# Allegro board A733_PRO3_AXP318_LPDDR5_FBGA315BALL_32X1_V2_0.brd (continued)
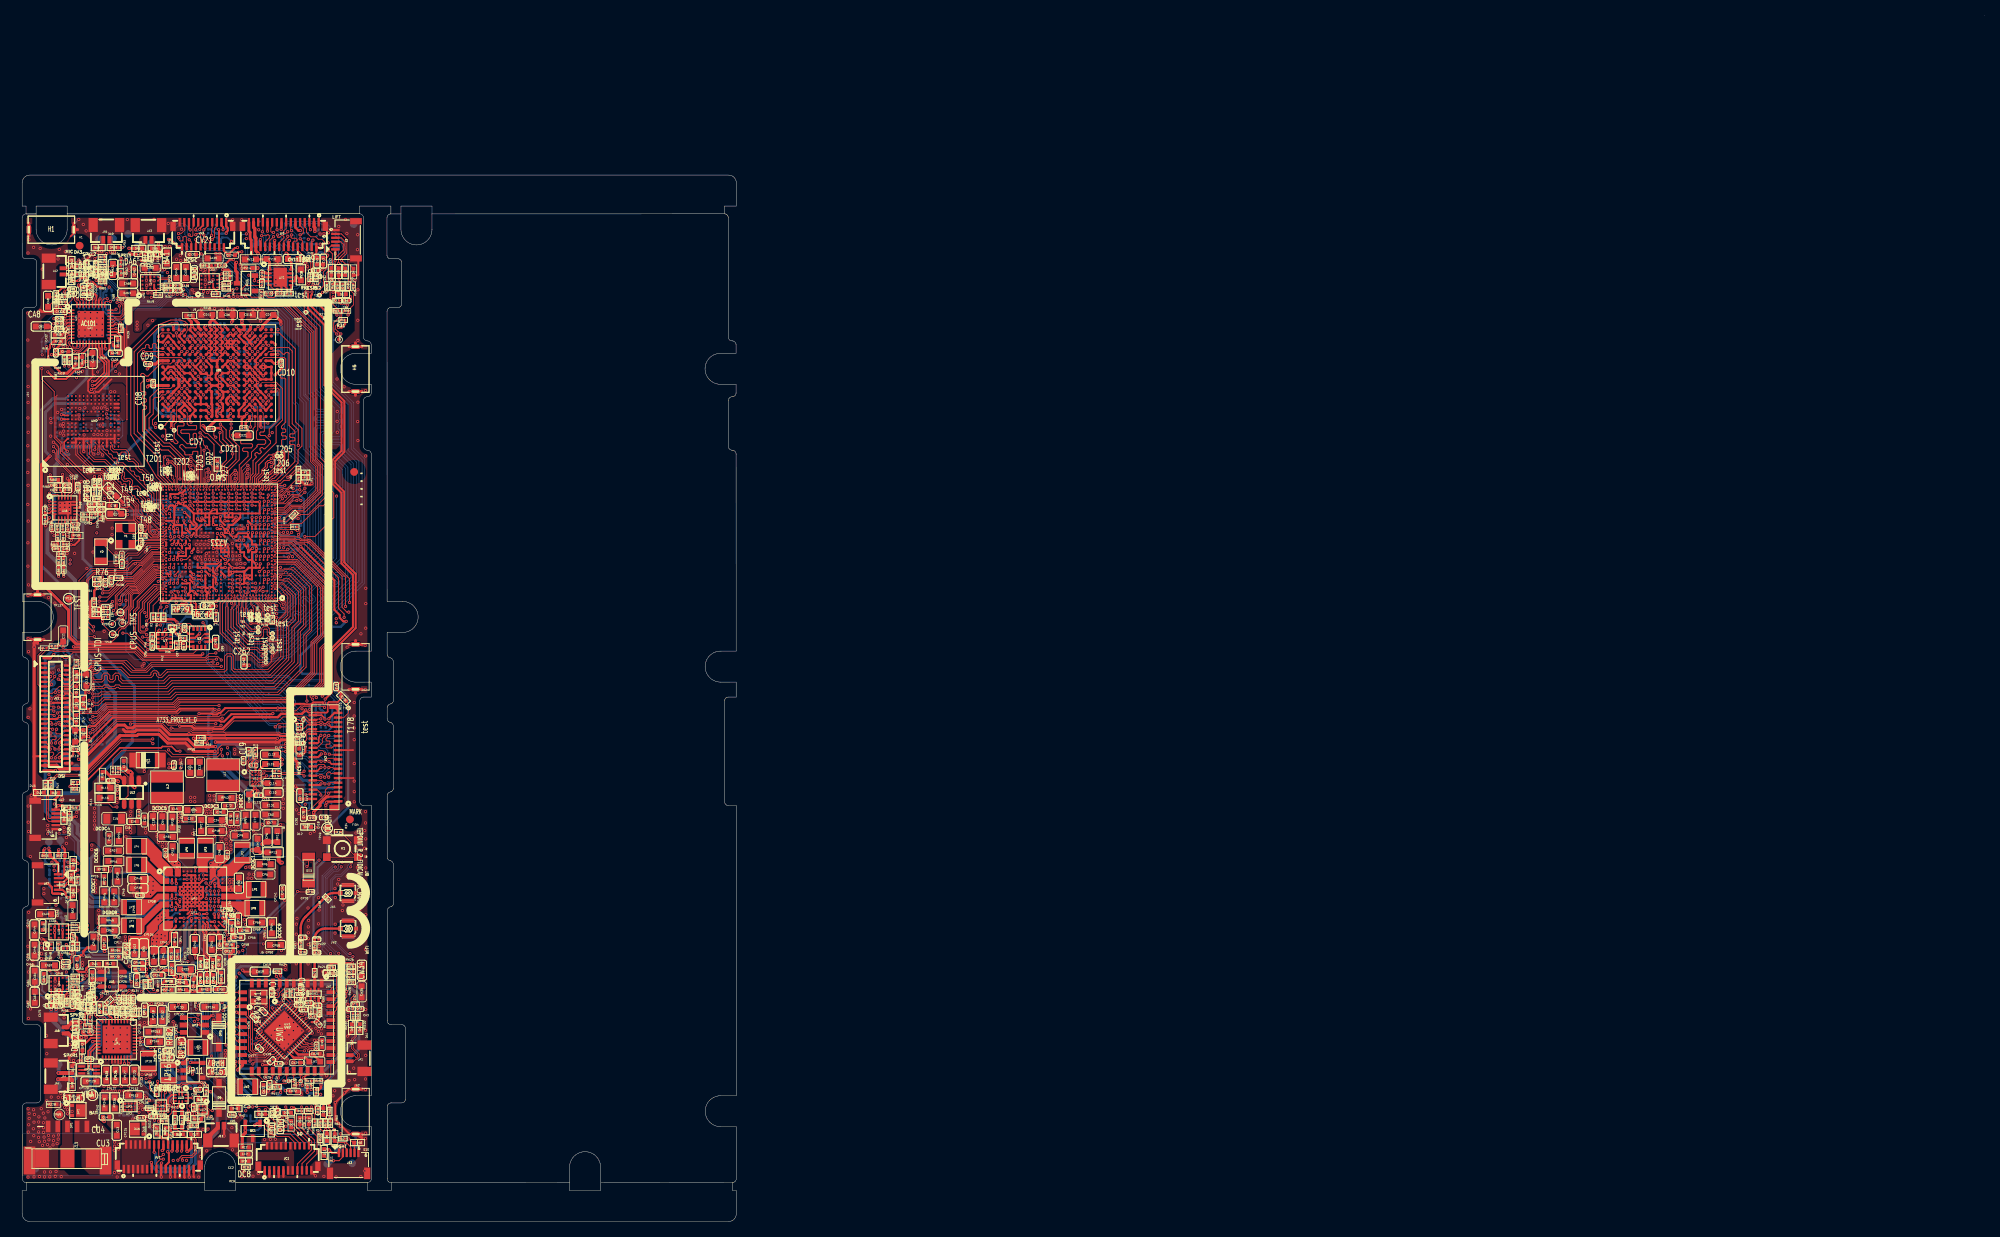
[diagram p0: board, top side]
## Routing (per net, layer and track width the routed paths; a pad name or vN(x,y) marks a point on that pad's centre or on a via; arc(x,y) is an arc through that point) (continued)
  TOP w0.102: v1(4.28,68.28) 4.26,68.28 4.25,68.27 4.03,68.27 3.86,68.1 3.56,68.1 3.23,68.43 JL1.13 ; 33.76,85.41 35.47,85.41 38.91,81.96 38.91,75.52 37.99,74.6 37.99,70.74 34.18,66.93 20.35,66.93 19.69,66.27 11.03,66.27 9.46,64.69 8.85,64.69 v1(8.8,64.74) ; DL5.2 6.99,69.84 6.19,69.05 6.12,69.05
  BOTTOM w0.102: v1(4.28,68.28) 4.67,67.89 RL36.1 6.43,67.89 7.62,66.69 TP65.1 8.11,65.87 8.11,65.78 8.49,65.39 8.49,64.97 8.72,64.74 v1(8.8,64.74)
TP-INT-SENSORHUB: length 2.1
  TOP w0.097: JL1.6 5.43,70.53 4.81,71.16 v1(4.69,71.16)
  BOTTOM w0.102: v1(4.69,71.16) 4.69,71.25 4.97,71.54 4.97,71.59 5.01,71.62 RL48.2
TP-RST: length 60.4
  TOP w0.102: DL6.2 6.64,69.05 6.32,68.73 JL1.12 ; U1.N1 35.38,85.2 38.71,81.87 38.71,75.61 37.68,74.58 37.68,70.73 34.09,67.13 20.26,67.13 19.6,66.47 10.94,66.47 9.62,65.15 v1(9.11,65.15)
  TOP w0.114: DL6.2 6.99,69.17 7.07,69.25 v1(7.1,69.25)
  BOTTOM w0.102: v1(7.1,69.25) 7.5,69.25 RL37.1 7.57,68.08 TP64.1 7.7,67.67 8.45,66.92 8.45,65.81 v1(9.11,65.15) 9.99,64.27 9.99,63.38 10.33,63.04 RL38.2
TP-SPI-CLK: length 37.3
  TOP w0.102: v1(30.73,85.85) 30.62,85.74 U1.1J3 ; RL45.1 7.1,72.29 7.3,72.29 v1(7.36,72.35) 7.41,72.4 13.45,72.4 14.58,71.28 15.81,71.28 16.63,72.1 24.16,72.1 24.25,72.19 v1(24.61,72.19)
  L4 w0.102: v1(24.61,72.19) 24.61,72.68 24.9,72.97 25.16,72.97 25.27,73.09 25.69,73.09 26.65,74.05 26.65,80.01 27.2,80.56 27.36,80.56 27.76,80.95 27.76,83.49 27.96,83.69 28.44,83.69 29.53,84.78 29.53,85.16 29.9,85.53 30.42,85.53 v1(30.73,85.85)
  BOTTOM w0.102: v1(7.36,72.35) 7.36,72.74 RL26.1
TP-SPI-CLK-1: length 5.8
  TOP w0.102: RL45.2 6.65,71.68 6.45,71.48 6.45,69.88 5.9,69.33 JL1.10
  TOP w0.114: v1(4.66,69.98) 4.83,69.8 4.97,69.8 5.44,69.33 JL1.10
  BOTTOM w0.114: v1(4.66,69.98) 5.21,69.98 TP62.1
TP-SPI-CS0: length 39.1
  TOP w0.102: v1(24.96,73.35) 24.9,73.29 24.11,73.29 23.58,72.76 15.75,72.76 14.72,73.79 5.47,73.79 5.43,73.75 4.15,73.75 3.8,74.1 RL27.1 3.6,74.23 3.6,74.22 3.4,74.22 RL44.1 ; v1(30.23,85.87) 30.12,85.77 U1.1J4
  L4 w0.102: v1(24.96,73.35) 25.48,73.35 26.37,74.24 26.37,80.05 27.17,80.85 27.26,80.85 27.46,81.05 27.46,83.55 27.86,83.95 28.35,83.95 29.2,84.79 29.2,85.29 29.79,85.87 v1(30.23,85.87)
TP-SPI-CS0-1: length 6.9
  TOP w0.097: RL44.2 2.62,73.94 2.62,73.62 2.04,73.04 2.04,69.28 2.28,69.03 JL1.11
  TOP w0.102: JL1.11 3.52,69.03 v1(3.8,69.32)
TP-SPI-MISO: length 41.2
  TOP w0.102: v1(25.67,71.63) 25.66,71.62 16.81,71.62 16.08,70.88 14.06,70.88 13.03,71.91 13.01,71.91 12.92,72 8.78,72 8.14,71.35 v1(7.53,71.35)
  TOP w0.114: v1(31.75,84.85) 31.61,84.71 31.61,84.37 U1.1G1
  L4 w0.102: v1(25.67,71.63) 27.71,73.66 27.71,79.01 29.73,81.02 29.73,82.46 30.91,83.64 30.91,84 31.75,84.84 v1(31.75,84.85) ; v1(7.53,71.35) 7.35,71.54 7.11,71.54 v1(5.65,73)
  BOTTOM w0.102: RL24.1 5.33,73.31 v1(5.65,73) 6.14,72.51 RL31.1 ; RL33.1 6.96,71.35 v1(7.53,71.35)
TP-SPI-MISO-1: length 6.3
  TOP w0.097: v1(4.19,70.31) 4.19,70.19 3.63,69.63 JL1.9
  BOTTOM w0.097: 4.53,70.66 4.67,70.8 5.08,70.8 5.34,71.07 5.34,71.51 RL32.2
  BOTTOM w0.102: 4.53,70.66 4.19,70.32 v1(4.19,70.31) 4.32,70.44 4.32,71.17 TP61.1 ; RL32.2 RL31.2
TP-SPI-MOSI: length 35.9
  TOP w0.102: v1(7.53,71.86) 8.17,71.86 8.52,72.2 13.15,72.2 14.26,71.08 15.92,71.08 16.66,71.82 25.04,71.82 v1(25.2,71.98)
  TOP w0.114: U1.1G2 30.62,83.84 v1(30.58,83.84)
  L4 w0.102: v1(30.58,83.84) 30.58,83.79 29.46,82.67 29.46,81.08 27.46,79.09 27.46,73.73 25.72,71.98 v1(25.2,71.98)
  BOTTOM w0.102: v1(7.53,71.86) 7.35,71.86 7.28,71.78 RL25.1 6.79,71.8 RL32.1 6.14,71.19 RL30.1
TP-SPI-MOSI-1: length 4.5
  TOP w0.097: JL1.8 5.51,69.93 5.01,70.43 v1(4.88,70.43)
  BOTTOM w0.097: v1(4.88,70.43) 5.54,70.43 RL33.2
  BOTTOM w0.102: RL30.2 RL33.2 5.64,70.4 5.82,70.22 6.36,70.22 6.45,70.31
  BOTTOM w0.114: 6.45,70.31 6.56,70.42 TP60.1
TS: length 47.8
  TOP w0.203: UP4.36 9.18,23.29 v1(9.1,23.21)
  L3 w0.381: v1(6.26,34.68) 6.74,34.2 6.74,31.83 5.96,31.04 5.96,30.28 5.46,29.78 5.46,28.76 6.39,27.83 6.39,25.77 5.9,25.29 5.9,24.65 7.34,23.21 v1(9.1,23.21)
  BOTTOM w0.254: RP21.1 19.37,42.86 20.07,42.16 20.32,42.16 20.76,41.71 20.76,40.48 20.06,39.78 19.73,39.78 18.24,38.29 17.31,38.29 15.6,36.58 15.6,35.5 14.48,34.38 9.18,34.38 8.76,34.8 7.71,34.8 7.59,34.68 v1(6.26,34.68)
  BOTTOM w0.381: v1(5.02,15.05) 5.47,15.49 6.99,15.49 8.8,17.3 8.8,22.52 9.1,22.82 v1(9.1,23.21)
TWI0-SCK: length 149.8
  TOP w0.076: U1.AK1 32.67,92.1 32.96,92.1
  TOP w0.102: 32.96,92.1 33.73,92.1 34.42,92.78 34.45,92.78 35.1,93.43 35.54,93.43 35.94,93.04 v1(35.94,93.03) ; RA97.1 7.27,31.78 8.23,31.78 8.31,31.7 v1(8.33,31.7) ; v1(25.75,122.28) 25.77,122.3 RA90.1
  TOP w0.114: v1(18.97,121.93) 18.78,121.74 17.66,121.74 UA5.E4 ; v1(8.42,38.19) 8.39,38.16 8.39,38.16 8.28,38.04 7.32,38.04 RA94.1 ; v1(25.75,122.28) 25.47,122.01 UA2.E4
  L3 w0.114: v1(9.81,37.41) 9.87,37.47 12.2,37.47 12.56,37.11 12.56,35.77 13.29,35.04 17.88,35.04 18.42,35.59 18.42,36.04 18.81,36.42 20.55,36.42 21.15,35.82 27.03,35.82 27.28,36.08 27.28,38.32 29.1,40.13 29.1,42.92 30.6,44.42 30.6,49.2 33,51.61 33,61.56 34.3,62.85 34.3,65.02 34.03,65.29 34.03,69.76 34.99,70.71 34.99,75.55 37.01,77.57 37.01,89.16 36.27,89.9 36.27,91.6 35.94,91.93 v1(35.94,93.03)
  L4 w0.102: v1(8.33,31.7) 8.33,31.72 8.63,32.02 8.63,35.81 8.01,36.43 8.01,37.77 v1(8.42,38.19)
  L4 w0.114: v1(35.94,93.03) 35.79,93.18 35.79,93.37 35.95,93.53 36.86,93.53 38.07,94.74 38.07,96.81 37.32,97.56 37.32,116.67 34.87,119.12 30.45,119.12 27.44,122.14 25.89,122.14 v1(25.75,122.28) 25.55,122.09 25.44,122.09 25.32,122.2 25.32,123.06 24.9,123.48 22.76,123.48 21.58,122.29 19.77,122.29 19.26,121.79 19.12,121.79 v1(18.97,121.93)
  BOTTOM w0.114: v1(8.42,38.19) 8.41,38.19 8.06,37.83 8.06,37.53 8.44,37.14 9.18,37.14 9.46,37.41 v1(9.81,37.41)
TWI0-SDA: length 148.1
  TOP w0.076: 32.96,91.92 32.83,91.92 32.67,91.76 32.41,91.76 U1.AK2
  TOP w0.102: RA91.1 25.77,121.69 v1(25.75,121.67) ; v1(35.42,93.03) 35.37,92.98 34.9,92.98 34.52,92.6 34.49,92.6 33.81,91.92 32.96,91.92 ; v1(7.98,31.33) 7.98,31.28 7.66,30.96 RA96.1
  TOP w0.114: v1(18.97,121.33) 18.78,121.52 17.67,121.52 UA5.E3 ; v1(25.75,121.67) 25.58,121.51 UA2.E3 ; v1(8.42,37.68) 8.39,37.7 8.38,37.7 8.26,37.83 7.32,37.83 RA93.1
  L3 w0.114: v1(9.81,37.93) 10.06,37.69 12.29,37.69 12.78,37.2 12.78,35.86 13.38,35.26 17.79,35.26 18.21,35.68 18.21,36.13 18.72,36.64 20.64,36.64 21.24,36.04 26.94,36.04 27.07,36.17 27.07,38.41 28.88,40.22 28.88,43.01 30.38,44.51 30.38,49.29 32.79,51.7 32.79,61.65 34.08,62.94 34.08,64.93 33.81,65.2 33.81,69.85 34.77,70.8 34.77,75.64 36.79,77.66 36.79,89.07 36.05,89.81 36.05,91.44 35.57,91.92 35.57,92.89 v1(35.42,93.03)
  L4 w0.114: v1(18.97,121.33) 19.22,121.57 19.35,121.57 19.86,122.08 21.67,122.08 22.85,123.27 24.81,123.27 25.11,122.97 25.11,122.11 25.35,121.87 25.55,121.87 v1(25.75,121.67) 26,121.92 27.35,121.92 30.36,118.91 34.78,118.91 37.1,116.58 37.1,97.47 37.85,96.72 37.85,94.83 36.77,93.75 35.86,93.75 35.57,93.46 35.57,93.18 v1(35.42,93.03) ; v1(7.98,31.33) 8,31.31 8.47,31.31 8.85,31.69 8.85,36.05 8.25,36.65 8.25,37.51 v1(8.42,37.68)
  BOTTOM w0.114: v1(8.42,37.68) 8.74,37.36 9.03,37.36 9.61,37.93 v1(9.81,37.93)
TWI1-SCK: length 80.4
  TOP w0.102: v1(32.63,63.83) 33.03,64.22 34.71,64.22 35.25,64.76 35.7,64.76 35.96,64.51 U5.A2 36.25,64.34 T176.1 ; U7.12 18.95,75.19 18.94,75.18 v1(18.66,75.18) ; v1(22.87,74.74) 22.87,74.75 23.42,75.3 U2.13
  TOP w0.114: v1(31.26,91.85) 31.12,91.72 U1.1AA2 ; T176.1 36.52,64.76 36.87,64.41 38.31,64.41 38.37,64.48 38.67,64.48 39.03,64.12 v1(39.03,64.12) 39.33,64.42 39.34,64.42 39.39,64.46 39.69,64.46 39.74,64.42 JV2.35 ; RL17.2 33.26,58.1 33.46,57.9 36.15,57.9 v1(36.35,58.09)
  L4 w0.114: v1(32.63,63.83) 33.02,64.22 33.02,64.71 34.14,65.83 34.14,66.96 37.52,70.33 37.52,74.24 38.51,75.24 38.51,88.16 36.86,89.81 34.67,89.81 33.05,91.43 31.67,91.43 v1(31.26,91.85)
  BOTTOM w0.114: R39.1 39.03,63.85 v1(39.03,64.12) ; 22.86,74.74 22.86,74.74 ; 22.86,74.74 22.86,74.74 ; 22.86,74.74 v1(22.87,74.74) ; 22.86,74.74 22.7,74.88 21.22,74.88 20.63,75.46 18.94,75.46 v1(18.66,75.18) ; 22.86,74.74 23.09,74.97 23.2,74.97 23.81,74.37 23.81,72.07 31.84,64.03 32.5,64.03 32.63,63.91 v1(32.63,63.83) 32.77,63.68 32.77,63.12 33.32,62.58 33.32,60.34 34.7,58.95 36.05,58.95 36.4,58.6 36.4,58.15 v1(36.35,58.09)
TWI1-SDA: length 79.5
  TOP w0.102: JV2.34 36.82,64.12 36.35,63.64 U5.B2 35.96,62.97 35.74,62.76 35.24,62.76 34.18,63.82 v1(33.23,63.82) ; v1(18.06,75.23) 18.15,75.23 18.59,75.67 U7.2 ; U2.14 23.48,75.8 23.02,75.33 22.94,75.33 v1(22.85,75.25)
  TOP w0.114: v1(36.35,57.49) 36.15,57.68 33.46,57.68 33.26,57.48 RL15.2 ; U1.1AA1 31.62,91.71 v1(31.76,91.85) ; v1(38.52,64.12) JV2.34
  L4 w0.114: v1(31.76,91.85) 31.96,91.65 33.14,91.65 34.76,90.03 36.95,90.03 38.73,88.25 38.73,75.15 37.74,74.15 37.74,70.24 34.36,66.87 34.36,65.74 33.24,64.62 33.24,63.82 v1(33.23,63.82)
  BOTTOM w0.102: T175.1 36.86,57.49 v1(36.35,57.49)
  BOTTOM w0.114: T175.1 37.07,58.24 36.14,59.17 34.83,59.17 33.58,60.42 33.58,62.62 32.99,63.21 32.99,63.58 v1(33.23,63.82) 33.23,63.82 32.81,64.25 31.93,64.25 24.02,72.16 24.02,74.46 23.35,75.13 23.22,75.25 v1(22.85,75.25) 22.83,75.27 22.83,75.28 22.66,75.09 21.31,75.09 20.72,75.68 18.51,75.68 v1(18.06,75.23) ; v1(38.52,64.12) 38.5,64.1 R38.1
TWI2-SCK: length 70
  TOP w0.076: 34.1,84.81 33.09,84.81 32.84,84.56 32.45,84.56 32.21,84.8 U1.M2
  TOP w0.097: v1(3.82,67.42) 4.19,67.8 4.38,67.8 4.62,68.04 5.11,68.04 5.23,68.15 5.23,68.34 5.32,68.43 6.12,68.43 6.15,68.4
  TOP w0.114: v1(3.82,67.42) 3.8,67.44 3.8,67.54 3.51,67.83 JL1.15 ; 6.15,68.4 6.45,68.1 6.45,66.47 6.6,66.32 DL3.2 7.54,65.75 9.6,65.75 10.75,66.9 19.41,66.9 20.07,67.56 33.9,67.56 37.24,70.9 37.24,74.76 38.09,75.61 38.09,81.87 35.15,84.81 34.1,84.81
  L3 w0.102: v1(3.46,57.67) 3.26,57.88 3.26,67.07 3.61,67.42 v1(3.82,67.42)
  BOTTOM w0.114: v1(3.82,67.42) 3.77,67.47 RL34.2 ; TP66.1 4.01,57.13 v1(3.46,57.67)
TWI2-SDA: length 58.7
  TOP w0.102: 6.21,67.75 5.83,68.13 JL1.14
  TOP w0.114: v1(4.34,67.42) 4.34,67.47 4.7,67.83 5.29,67.83 5.3,67.84 5.41,67.84 JL1.14 ; 6.21,67.75 6.24,67.73 6.24,66.38 6.31,66.3 6.31,65.85 6.84,65.32 DL4.2 7.2,65.53 9.7,65.53 10.85,66.69 19.51,66.69 20.17,67.35 33.99,67.35 37.47,70.83 37.47,74.67 38.49,75.7 38.49,81.77 35.27,85 32.77,85 U1.M1
  BOTTOM w0.114: TP67.1 5.8,66.86 RL35.2 4.59,67.17 v1(4.34,67.42)
TWI3-SCK: length 81.5
  TOP w0.076: U1.B4 31.37,80.76 31.62,80.51 31.62,80.06 32.75,78.93 v1(32.82,78.93)
  TOP w0.114: JV3.9 23.91,128.43 v1(23.42,127.94) ; JV1.9 35.83,128.49 36.25,128.07 36.25,127.56 35.99,127.3 v1(35.83,127.3)
  L4 w0.114: v1(23.42,127.94) 23.58,127.78 23.78,127.78 24.97,128.98 26.66,128.98 28.47,127.16 28.65,127.16 v1(28.91,127.42) 29.11,127.23 29.22,127.23 29.38,127.39 29.38,128.35 29.64,128.6 35,128.6 35.48,128.12 35.48,127.44 35.62,127.3 v1(35.83,127.3)
  BOTTOM w0.102: RV7.2 36.04,127.51 v1(35.83,127.3)
  BOTTOM w0.114: v1(32.82,78.93) 32.98,78.78 33.79,78.78 34.82,79.81 34.82,80.59 39.95,85.72 39.95,97.01 37.03,99.94 37.03,105.89 36.33,106.59 36.33,117.23 36.2,117.37 36.18,117.37 34.01,119.54 34.01,121.96 33.14,122.82 31.1,122.82 30.28,123.65 29.77,123.65 28.76,124.65 28.76,125.57 28.27,126.06 T134.1 28.83,127.34 v1(28.91,127.42)
TWI3-SDA: length 80.9
  TOP w0.076: U1.A4 31.37,80.08 32.51,78.95 32.51,78.73 v1(32.81,78.42)
  TOP w0.114: v1(35.85,126.8) 36.13,126.51 JV1.8 ; JV3.8 24.21,126.41 23.42,127.19 v1(23.42,127.31)
  L4 w0.114: v1(35.85,126.8) 35.71,126.94 35.68,126.94 35.26,127.35 35.26,128.03 34.91,128.38 29.73,128.38 29.6,128.26 29.6,127.3 29.31,127.01 29.11,127.01 v1(28.91,126.82) 28.8,126.93 28.76,126.93 28.74,126.95 28.38,126.95 26.57,128.76 25.06,128.76 23.87,127.56 23.68,127.56 v1(23.42,127.31)
  BOTTOM w0.102: v1(35.85,126.8) 35.92,126.87 RV8.2
  BOTTOM w0.114: v1(32.81,78.42) 32.95,78.56 33.88,78.56 35.04,79.72 35.04,80.5 40.16,85.63 40.16,97.1 37.24,100.02 37.24,105.98 36.55,106.68 36.55,117.32 34.22,119.65 34.22,122.05 33.23,123.04 31.19,123.04 30.37,123.86 29.85,123.86 29.08,124.64 T138.1 29.08,125.73 28.51,126.3 28.51,126.69 28.63,126.82 v1(28.91,126.82)
TWI4-SCK: length 41.3
  TOP w0.102: v1(39.03,56.46) 38.58,56.92 JV2.10 ; U1.1A3 30.62,81.39 v1(31.07,81.84)
  BOTTOM w0.102: T162.1 37.91,56.48 RV24.2 38.35,56.83 38.67,56.83 v1(39.03,56.46) 39.06,56.46 39.4,56.79 40.37,56.79 41.2,57.62 41.2,67.35 38.81,69.73 34.68,69.73 34.19,70.23 31.81,70.23 30.36,71.67 30.36,75.19 28.96,76.58 28.96,79.34 30.54,80.92 30.54,81.3 v1(31.07,81.84)
TWI4-SDA: length 37.8
  TOP w0.102: JV2.9 39.72,56.62 v1(39.54,56.44) ; v1(31.05,81.28) 31.12,81.35 U1.1A1
  BOTTOM w0.102: v1(31.05,81.28) 31,81.23 31,80.96 29.14,79.1 29.14,76.7 30.56,75.28 30.56,71.76 31.89,70.43 34.3,70.43 34.79,69.94 38.92,69.94 41.43,67.43 41.43,57.29 T161.1 40.62,56.48 RV25.2 39.59,56.48 v1(39.54,56.44)
TWI8-SCK: length 184.4
  TOP w0.102: UA1.32 10.26,118.75 10.57,119.06 v1(10.97,119.06)
  TOP w0.114: RP303.1 18.47,17.38 18.69,17.6 19.81,17.6 19.85,17.65 20.31,17.65 20.56,17.9 21.23,17.9 21.33,17.99 23.5,17.99 23.88,17.62 v1(23.88,17.47) ; v1(4.04,99.97) 4.47,99.54 4.47,98.46 6.73,96.2 6.73,94.17 6.31,93.74 UA6.16
  L3 w0.102: v1(34.36,93.9) 34.36,95.03 35.77,96.44 35.77,96.48 35.89,96.6 37.22,97.93 37.22,114.1 32.71,118.6 30.57,118.6 30.3,118.34 20.75,118.34 v1(19.47,119.61) ; v1(10.97,119.06) 10.97,118.92 10.48,118.44 7.37,118.44 6.4,117.48 6.4,114.85 4.73,113.17 4.73,110.31 5.22,109.82 5.22,108.83 3.62,107.23 3.62,104.28 4.16,103.74 4.16,101.28 4.53,100.91 4.53,100.47 v1(4.04,99.97) ; v1(40.5,77.25) 40.05,76.81 40.05,76.56 37.69,74.2 37.69,69.59 40.17,67.1 40.17,49.65 37.39,46.86 37.39,43.11 34.29,40.01 34.29,28.14 30.27,24.13 30.17,24.13 29.05,23 29.05,22.32 27.55,20.82 v1(27.55,20.6)
  L4 w0.102: v1(40.5,77.25) 40.95,77.71 40.95,88.46 36.75,92.66 35.33,92.66 34.36,93.63 v1(34.36,93.9)
  L4 w0.114: v1(27.55,20.6) 27.3,20.6 27.01,20.31 27.01,20.06 24.41,17.47 v1(23.88,17.47)
  BOTTOM w0.102: v1(34.36,93.9) 34.36,93.99 33.52,94.83 RA3.1 ; v1(10.97,119.06) 11.02,119.01 11.02,118.55 11.12,118.46 11.12,117.77 11.75,117.13 12.73,117.13 13.62,118.02 17.43,118.02 18.66,119.24 19.1,119.24 v1(19.47,119.61)
  BOTTOM w0.114: RA27.1 10.85,119.18 v1(10.97,119.06)
TWI8-SDA: length 183
  TOP w0.102: UA1.31 10.66,118.58 10.79,118.71 v1(11.37,118.71)
  TOP w0.114: v1(23.38,17.59) 23.2,17.78 21.42,17.78 21.32,17.68 20.69,17.68 20.44,17.43 19.94,17.43 19.8,17.29 RP304.1 ; v1(4.02,99.38) 4.25,99.14 4.25,98.37 6.52,96.11 6.52,94.26 6.29,94.03 6.16,94.03 5.91,93.77 UA6.17
  L3 w0.102: v1(11.37,118.71) 11.11,118.71 10.64,118.24 7.45,118.24 6.61,117.4 6.61,114.71 4.93,113.03 4.93,110.39 5.45,109.88 5.45,108.75 3.84,107.13 3.84,104.47 4.4,103.9 4.4,101.34 4.82,100.93 4.82,100.17 v1(4.02,99.38) ; v1(27.49,20.08) 27.19,20.38 27.19,20.76 28.84,22.4 28.84,23.08 30.1,24.34 30.2,24.34 33.92,28.06 33.92,31.79 33.56,32.14 33.56,33.81 34.08,34.33 34.08,40.1 37.17,43.18 37.17,46.94 39.97,49.74 39.97,67.02 37.49,69.5 37.49,74.34 39.83,76.68 39.83,77.11 v1(40.5,77.78) ; v1(18.95,119.6) 18.95,119.59 20.41,118.13 30.38,118.13 30.65,118.4 32.63,118.4 37.02,114.01 37.02,98.01 35.73,96.73 35.73,96.69 35.59,96.56 35.59,96.52 34.17,95.1 34.17,94.55 33.95,94.33 v1(33.95,93.57)
  L4 w0.102: v1(40.5,77.78) 40.74,78.02 40.74,88.38 36.67,92.45 35.07,92.45 v1(33.95,93.57)
  L4 w0.114: v1(27.49,20.08) 24.52,17.11 23.73,17.11 23.38,17.45 v1(23.38,17.59)
  BOTTOM w0.102: v1(11.37,118.71) 11.37,117.8 11.84,117.33 12.64,117.33 13.53,118.22 17.34,118.22 18.73,119.6 v1(18.95,119.6) ; v1(33.95,93.57) 33.84,93.69 RA4.1
  BOTTOM w0.114: RA28.1 11.58,118.91 v1(11.37,118.71)
TYPEC-DM: length 2.2
  TOP w0.112: UU3.5 19.64,14.12 LU1.4 19.68,14.07 RU11.2
TYPEC-DM-1: length 18.1
  TOP w0.112: v1(20.09,17.07) 20.24,16.92 UU3.2 ; RU18.1 RU35.1 13.1,27.97 v1(13.12,27.95) 13.12,27.62 RP252.1
  BOTTOM w0.112: v1(13.12,27.95) 13.23,27.85 13.23,27.4 13.5,27.13 16.62,27.13 17.31,26.44 17.31,24.08 18.14,23.25 18.14,18.62 19.19,17.57 19.43,17.57 19.93,17.07 v1(20.09,17.07)
TYPEC-DP: length 2
  TOP w0.112: UU3.7 20.64,14.11 LU1.1 RU12.2
TYPEC-DP-1: length 19.2
  TOP w0.112: RU17.1 RU34.1 13.71,27.97 v1(13.73,27.95) 13.57,27.79 13.57,27.48 RP251.1 ; v1(21.23,17.18) 21.24,17.17 UU3.10
  BOTTOM w0.112: v1(21.23,17.18) 21.15,17.18 20.85,17.48 19.85,17.48 19.52,17.81 19.29,17.81 18.38,18.72 18.38,23.35 17.55,24.18 17.55,26.53 16.72,27.37 13.6,27.37 13.47,27.49 13.47,27.69 v1(13.73,27.95)
UFS-CLK-AP: length 0.5
  TOP w0.114: v1(19,91.35) 19.12,91.22 U1.1Y26
UFS-CLK-DV: length 1.4
  TOP w0.114: UM2.H1 9.42,99.63 v1(9.36,99.58)
  BOTTOM w0.114: v1(9.36,99.58) 9.1,99.58 9.09,99.58 RM36.2
UFS-REXT: length 1
  TOP w0.114: U1.1V26 18.98,89.71 v1(18.98,89.41)
  BOTTOM w0.254: v1(18.98,89.41) 19.06,89.32 19.06,89.02 RM3.2
UFS-RST-N: length 33.9
  TOP w0.076: v1(9.78,99.05) 9.71,99.12 9.71,99.75 9.67,99.79 9.67,100.25 UM2.H2
  TOP w0.114: U1.1Y24 20.12,90.38 v1(20,90.26)
  L4 w0.114: v1(10.87,104.2) 10.57,103.9 10.57,103.56 10.59,103.54 11.3,102.83 11.3,97.35 15.53,93.12 v1(16.31,93.12)
  BOTTOM w0.114: v1(9.78,99.05) 9.97,99.24 RM41.2 9.97,99.78 10.27,100.08 11.67,100.08 12.96,101.38 12.96,103.34 12.2,104.11 RM38.1 10.96,104.11 v1(10.87,104.2) ; v1(16.31,93.12) 16.5,92.92 16.74,92.92 16.91,92.74 18.62,92.74 18.76,92.6 18.76,92.6 19.62,91.74 20.72,91.74 20.8,91.82 21.08,91.82 21.27,91.62 21.27,90.52 21.26,90.51 21.26,90.23 21.07,90.04 20.9,90.04 RM37.1 20.56,89.7 v1(20,90.26)
UFS-RX0-N: length 14.3
  TOP w0.076: U1.AG37 17.95,90.8 17.51,91.24 17.51,91.34
  TOP w0.102: 17.51,91.34 16.99,91.86 16.99,92.31 ; 16.99,92.31 17,92.3 T48.1 ; 16.99,92.31 16.99,93.92 16.32,94.59 16.32,94.87 16.17,95.02 15.89,95.02 15.74,95.17 15.74,95.44 15.59,95.59 15.32,95.59 15.17,95.74 15.17,96.02 15.02,96.17 14.74,96.17 14.5,96.41 14.5,96.66 14.34,96.82 14.09,96.82 13.93,96.98 13.93,97.23 13.77,97.4 13.51,97.4 13.01,97.89 12.38,97.89 12.38,97.89 12.23,98.05 12.23,98.19 12.26,98.23 12.26,98.37 12.12,98.52 11.97,98.52 11.94,98.48 11.79,98.48 11.63,98.65 11.63,98.83 11.43,99.02 11.25,99.02 11.15,99.13 11.15,99.36 10.97,99.53 10.74,99.53 10.48,99.79 10.48,99.93 UM2.K1
UFS-RX0-P: length 14.5
  TOP w0.076: U1.AG36 18.51,90.8 18.27,90.56 17.97,90.56 17.42,91.11 17.31,91.11 17.3,91.13
  TOP w0.102: T52.1 16.68,91.98 16.69,91.98 ; UM2.K2 10.42,100.41 10.17,100.16 10.17,99.67 10.84,99 11.85,97.99 11.85,97.99 12.25,97.59 12.89,97.59 16.69,93.79 16.69,91.98 ; 16.69,91.98 16.69,91.74 17.3,91.13
UFS-RX1-N: length 13.8
  TOP w0.102: U1.AH37 18.17,91.21 17.35,92.04 17.35,94.46 17.09,94.71 ; 17.09,94.71 16.74,95.06 16.74,95.32 16.38,95.69 16.04,95.69 15.74,95.99 15.74,96.31 15.35,96.7 15.13,96.7 14.67,97.15 14.67,97.67 14.27,98.08 13.69,98.08 13.39,98.39 13.39,99.15 13.26,99.28 12.84,99.28 12.72,99.16 12.72,98.99 12.6,98.87 12.44,98.87 12.32,98.99 12.32,99.16 12.2,99.28 11.75,99.28 11.36,99.66 11.36,99.94 UM2.M1 ; 17.09,94.71 17.02,94.64 T184.1
UFS-RX1-P: length 13.9
  TOP w0.102: 17.26,94.97 17.65,94.58 17.65,92.17 18.57,91.24 U1.AH36 ; 17.26,94.97 17.05,95.19 17.05,95.45 16.51,95.99 16.17,95.99 16.04,96.12 16.04,96.44 15.48,97 15.25,97 14.98,97.28 14.98,97.8 14.39,98.39 13.82,98.39 13.69,98.51 13.69,99.28 13.39,99.58 11.88,99.58 11.67,99.79 11.67,100.16 11.42,100.41 UM2.M2 ; 17.26,94.97 17.33,95.04 T50.1
UFS-TX0-N: length 17.8
  TOP w0.076: 16.04,91.79 16.05,91.77 16.05,91.67 16.52,91.2 17.55,90.17 17.57,90.15 17.9,90.15 17.99,90.24 18.27,90.24 18.51,90 U1.AE36
  TOP w0.102: 16.04,91.79 15.92,91.91 15.92,93.15 15.14,93.93 15.14,94.08 15.23,94.16 15.23,94.57 14.92,94.88 14.51,94.88 14.42,94.79 14.28,94.79 14.14,94.94 14.14,95.08 14.22,95.17 14.22,95.58 13.91,95.88 13.5,95.88 13.42,95.8 13.26,95.8 13.13,95.93 13.13,96.09 13.21,96.17 13.21,96.59 12.91,96.89 12.49,96.89 12.41,96.81 12.27,96.81 12.09,96.98 ; 12.09,96.98 T187.1 ; 12.09,96.98 10.74,98.33 9.34,98.33 8.67,99 8.67,100.16 8.42,100.41 UM2.F2
UFS-TX0-P: length 17.9
  TOP w0.076: U1.AE37 17.99,90 17.94,89.95 17.94,89.76 17.89,89.71 17.73,89.71 17.68,89.76 17.68,89.94 17.63,89.99 17.63,90 17.5,90 17.44,90.06 17.28,90.06 17.18,90.17 17.18,90.32 17.06,90.44 16.92,90.44 16.82,90.54 16.82,90.68 16.71,90.79 16.6,90.79 16.52,90.87 16.52,90.98 16.41,91.09 16.26,91.09 16.18,91.18 16.18,91.32 15.95,91.56 15.84,91.56 15.83,91.57
  TOP w0.102: 11.65,96.99 10.62,98.03 9.21,98.03 8.36,98.87 8.36,99.94 UM2.F1 ; 11.65,96.99 11.58,96.92 T47.1 ; 11.65,96.99 12.14,96.5 12.54,96.5 12.62,96.59 12.78,96.59 12.91,96.46 12.91,96.3 12.82,96.22 12.82,95.8 13.13,95.5 13.54,95.5 13.63,95.58 13.79,95.58 13.91,95.45 13.91,95.29 13.83,95.21 13.83,94.81 14.15,94.49 14.55,94.49 14.63,94.57 14.79,94.57 14.92,94.45 14.92,94.29 14.84,94.2 14.84,93.81 15.62,93.03 15.62,91.78 15.83,91.57
UFS-TX1-N: length 17.8
  TOP w0.076: 15.35,91.14 15.36,91.12 15.43,91.12 15.68,90.86 15.93,90.86 17.51,89.28 18.27,89.28 18.57,89.59 U1.AD36
  TOP w0.102: UM2.D2 7.42,100.41 7.17,100.16 7.17,99.06 9.09,97.14 10.46,97.14 11.45,96.14 T116.1 11.45,96.02 15.04,92.44 15.04,91.45 15.35,91.14
UFS-TX1-P: length 17.7
  TOP w0.076: 15.56,91.35 15.56,91.2 15.75,91.02 15.99,91.02 17.58,89.43 18.01,89.43 U1.AD37
  TOP w0.102: 15.56,91.35 15.34,91.58 15.34,92.56 14.99,92.91 14.99,93.09 14.86,93.22 14.68,93.22 14.55,93.36 14.55,93.36 14.55,93.55 14.45,93.65 14.25,93.65 14.11,93.79 14.11,94 13.98,94.14 13.77,94.14 13.61,94.29 13.61,94.45 13.49,94.57 13.34,94.57 13.22,94.69 13.22,94.77 13.22,94.77 13.39,94.94 13.39,95.06 13.27,95.18 13.09,95.18 12.97,95.06 12.84,95.06 12.74,95.16 12.74,95.34 12.65,95.43 12.47,95.43 12.35,95.55 12.35,95.73 12.23,95.86 12.04,95.86 11.88,96.02 11.88,96.15 ; 11.88,96.15 11.94,96.21 T49.1 ; 11.88,96.15 10.58,97.45 9.21,97.45 7.47,99.18 7.47,99.94 UM2.D1
UFS-VCCQ:
  vias: v1(4.92,101.72) v1(5.35,101.97) v1(5.35,101.45)
UFS-VCCQ2:
  vias: v1(4.92,102.76) v1(5.31,102.96) v1(5.31,102.54) v1(10.07,102.76)
USB0-DM: length 59.1
  TOP w0.076: 17.32,81.72 17.33,81.73 17.48,81.75 17.86,81.75 17.95,81.84 18.27,81.84 18.51,81.6 U1.D36
  TOP w0.112: RU18.2 12.5,28.95 v1(13.02,29.46) ; v1(16.06,75.7) 15.83,75.93 15.25,75.93 14.98,76.2 14.98,78.57 15.5,79.09 15.5,79.91 17.3,81.71 17.3,81.71 17.32,81.72
  L4 w0.112: v1(13.02,29.46) 13.14,29.59 13.14,30.09 12.67,30.56 12.67,38 12.73,38.06 12.73,39.76 12.67,39.81 12.67,48.31 14.45,50.09 14.45,54.89 16.93,57.37 16.93,61.01 17.43,61.51 17.43,73.91 16.57,74.77 16.57,75.39 16.26,75.7 v1(16.06,75.7)
USB0-DP: length 59.2
  TOP w0.076: 17.4,81.47 17.52,81.59 17.92,81.59 17.93,81.6 U1.D37
  TOP w0.112: 17.4,81.47 17.4,81.46 15.74,79.8 15.74,78.99 15.22,78.47 15.22,76.3 15.35,76.17 15.94,76.17 16.07,76.3 v1(16.07,76.43) ; v1(14.3,29.27) 14.33,29.24 RU17.2
  L4 w0.112: v1(14.3,29.27) 13.65,29.27 13.41,29.51 13.41,30.2 12.93,30.67 12.93,37.89 12.99,37.95 12.99,39.87 12.93,39.92 12.93,48.2 14.72,49.98 14.72,54.78 17.19,57.26 17.19,60.9 17.69,61.4 17.69,74.02 16.84,74.88 16.84,75.5 16.07,76.28 v1(16.07,76.43)
USB0-REXT: length 1.8
  TOP w0.102: v1(21.08,81.73) 20.96,81.85 U1.1B23
  BOTTOM w0.102: R14.2 20.68,80.91 20.68,81.33 v1(21.08,81.73)
USB1-DM: length 40.3
  TOP w0.076: U1.F36 18.57,82.34 18.39,82.15 17.37,82.15 17.32,82.2 17.3,82.2
  TOP w0.112: v1(16.83,62.26) 16.8,62.23 12.72,62.23 8.2,57.71 4.47,57.71 4.05,57.29 3.46,57.29 3.18,57.01 3.18,56.8 RU3.2 ; 17.3,82.2 17,82.2 14.84,80.03 14.84,79.27 14.36,78.79 14.36,75.7 16.21,73.85 v1(16.21,73.77)
  L4 w0.112: v1(16.83,62.26) 16.83,62.34 17,62.51 17,72.05 16.11,72.94 16.11,73.67 v1(16.21,73.77)
USB1-DP: length 40.6
  TOP w0.076: 17.3,81.96 17.32,81.96 17.37,82 U1.E36
  TOP w0.112: RU4.2 3.6,56.62 3.42,56.79 3.42,56.91 3.56,57.05 4.15,57.05 4.57,57.47 8.3,57.47 12.82,61.99 16.52,61.99 v1(16.85,61.66) ; v1(16.21,74.44) 15.96,74.44 14.6,75.79 14.6,78.69 15.08,79.17 15.08,79.94 17.1,81.96 17.3,81.96
  L4 w0.112: v1(16.21,74.44) 16.21,74.29 15.95,74.03 15.95,74.02 15.85,73.92 15.85,72.83 16.74,71.94 16.74,62.68 16.47,62.41 16.47,62.05 16.54,61.97 v1(16.85,61.66)
USB1-REXT: length 2.7
  TOP w0.114: U1.1A25 19.64,81.37 19.98,81.37 20.12,81.23 v1(20.12,81.23)
  L4 w0.114: v1(19.86,79.89) 20.12,80.15 v1(20.12,81.23)
  BOTTOM w0.114: v1(19.86,79.89) 19.78,79.97 R67.2
USB2-DM: length 58.6
  TOP w0.112: U1.B37 18.2,80.83 18.2,81.01 18.13,81.08 17.8,81.08 16.4,79.68 16.4,77.84 v1(16.04,77.48) ; RU35.2 13.1,29.03 13.8,29.73 13.8,29.82 v1(13.81,29.82)
  L4 w0.112: v1(13.81,29.82) 13.81,30.26 13.23,30.83 13.23,34.07 14.22,35.06 14.22,38.83 13.5,39.55 13.5,48.19 15.12,49.82 15.12,54.52 17.64,57.04 17.64,60.71 18.09,61.16 18.09,74.23 17.36,74.96 17.36,75.7 17.03,76.03 17.03,77.51 16.89,77.65 16.65,77.65 16.52,77.52 16.52,77.34 16.45,77.27 16.28,77.27 16.07,77.48 v1(16.04,77.48)
USB2-DP: length 58.7
  TOP w0.112: U1.C36 18.46,81.32 17.7,81.32 16.16,79.78 16.16,78.21 v1(16.04,78.08) ; v1(14.32,29.78) 14.14,29.6 14.1,29.6 13.71,29.22 RU34.2
  L4 w0.112: v1(16.04,78.08) 16.08,78.04 16.87,78.04 17.29,77.62 17.29,76.14 17.62,75.81 17.62,75.07 18.35,74.34 18.35,61.05 17.9,60.6 17.9,56.93 15.39,54.41 15.39,49.71 13.77,48.08 13.77,39.66 14.49,38.94 14.49,34.95 13.5,33.96 13.5,30.94 14.32,30.11 v1(14.32,29.78)
USB2-REXT: length 1
  TOP w0.102: v1(21.06,81.23) 20.93,81.35 U1.1A23
  BOTTOM w0.102: R48.2 21.11,81.17 v1(21.06,81.23)
USB2-SW: length 107.6
  TOP w0.076: U1.AL2 32.41,92.64 32.69,92.64 32.73,92.6
  TOP w0.102: v1(18.78,13.51) 18.78,13.11 RU15.1 ; v1(36.46,94.09) 36.42,94.09 35.92,93.6 35.63,93.6 35.62,93.61 35.02,93.61 35.01,93.6 34.95,93.6 33.95,92.6 32.73,92.6
  TOP w0.114: v1(18.78,13.51) 19.29,14.03 19.29,14.48 19.42,14.61 19.42,15.14 19.18,15.37 19.18,15.72 19.42,15.95 UU3.4
  L3 w0.102: v1(36.46,94.09) 36.46,90.16 37.31,89.3 37.31,77.42 35.29,75.4 35.29,70.56 34.35,69.62 34.35,65.44 34.63,65.16 34.63,60.53 34.06,59.95 34.06,51.14 30.99,48.08 30.99,44.38 29.59,42.98 29.59,40.03 29.21,39.65 29.21,37.15 27.81,35.75 27.81,35.49 v1(27.81,35.48)
  L4 w0.102: v1(18.78,13.51) 19.12,13.17 26.26,13.17 26.97,13.88 v1(28.05,13.88)
  BOTTOM w0.102: v1(28.05,13.88) 28.19,14.02 28.19,16 24.76,19.44 24.76,24.02 23.64,25.13 23.64,29.23 24.24,29.83 25.41,29.83 26.14,30.56 26.14,32.29 27.57,33.71 27.57,35.2 27.81,35.44 v1(27.81,35.48)
USB2-SW-EN: length 106.9
  TOP w0.102: UU3.8 21.24,14.63 21.4,14.48 21.4,14.29 v1(21.42,14.26) 21.4,14.23 21.4,13.8 RU14.1 ; U1.AP1 33.18,93.6 33.34,93.76 33.43,93.76 34.07,94.41 34.26,94.41 34.76,94.91 35.77,94.91 v1(35.78,94.92)
  L3 w0.102: v1(28.44,34.98) 28.46,34.95 28.64,34.95 29.82,36.13 29.82,39.38 30.23,39.79 30.23,42.74 31.6,44.11 31.6,47.64 34.97,51.01 34.97,53.24 35.8,54.07 35.8,56.67 35.1,57.37 35.1,58.79 35.75,59.44 35.75,61.83 36.4,62.49 36.4,64.8 36.18,65.02 35.69,65.02 35,65.72 35,69.4 35.9,70.31 35.9,75.13 37.92,77.15 37.92,89.67 37.41,90.18 37.41,94.42 36.68,95.15 36.01,95.15 v1(35.78,94.92)
  L4 w0.102: v1(28.82,14.29) 28.77,14.24 26.68,14.24 26.4,13.96 23.11,13.96 22.69,13.54 21.78,13.54 21.48,13.84 21.48,14.2 v1(21.42,14.26)
  BOTTOM w0.102: v1(28.82,14.29) 28.82,15.98 25.16,19.64 25.16,24.19 24.05,25.3 24.05,29.01 24.46,29.42 25.63,29.42 26.89,30.69 26.89,32.46 28.57,34.14 28.57,34.83 28.44,34.96 v1(28.44,34.98)
USB-UPGRADE-COMBO1-SEL-ADC: length 2.7
  TOP w0.127: v1(19.73,83.31) 19.73,83.46 U1.1F24
  BOTTOM w0.127: v1(19.73,83.31) 19.5,83.54 R13.2 19.5,83.82 19.34,83.98 18.71,83.98 R12.2
V-CORE: length 10.4
  TOP w0.178: UW3.10 30.67,25.48 30.67,25.65 v1(30.55,25.77) ; UW3.23 32.92,20.97 v1(32.87,20.97)
  TOP w0.203: v1(30.55,25.77) 30.46,25.77 CW26.1
  TOP w0.254: CW28.2 32.81,20.9 v1(32.87,20.97)
  L4 w0.254: v1(30.55,25.77) 30.6,25.72 30.6,24.71 29.65,23.76 29.65,22.11 30.79,20.97 v1(32.87,20.97)
